# KiCad board A64-OlinuXino_Rev_H.kicad_pcb (continued)
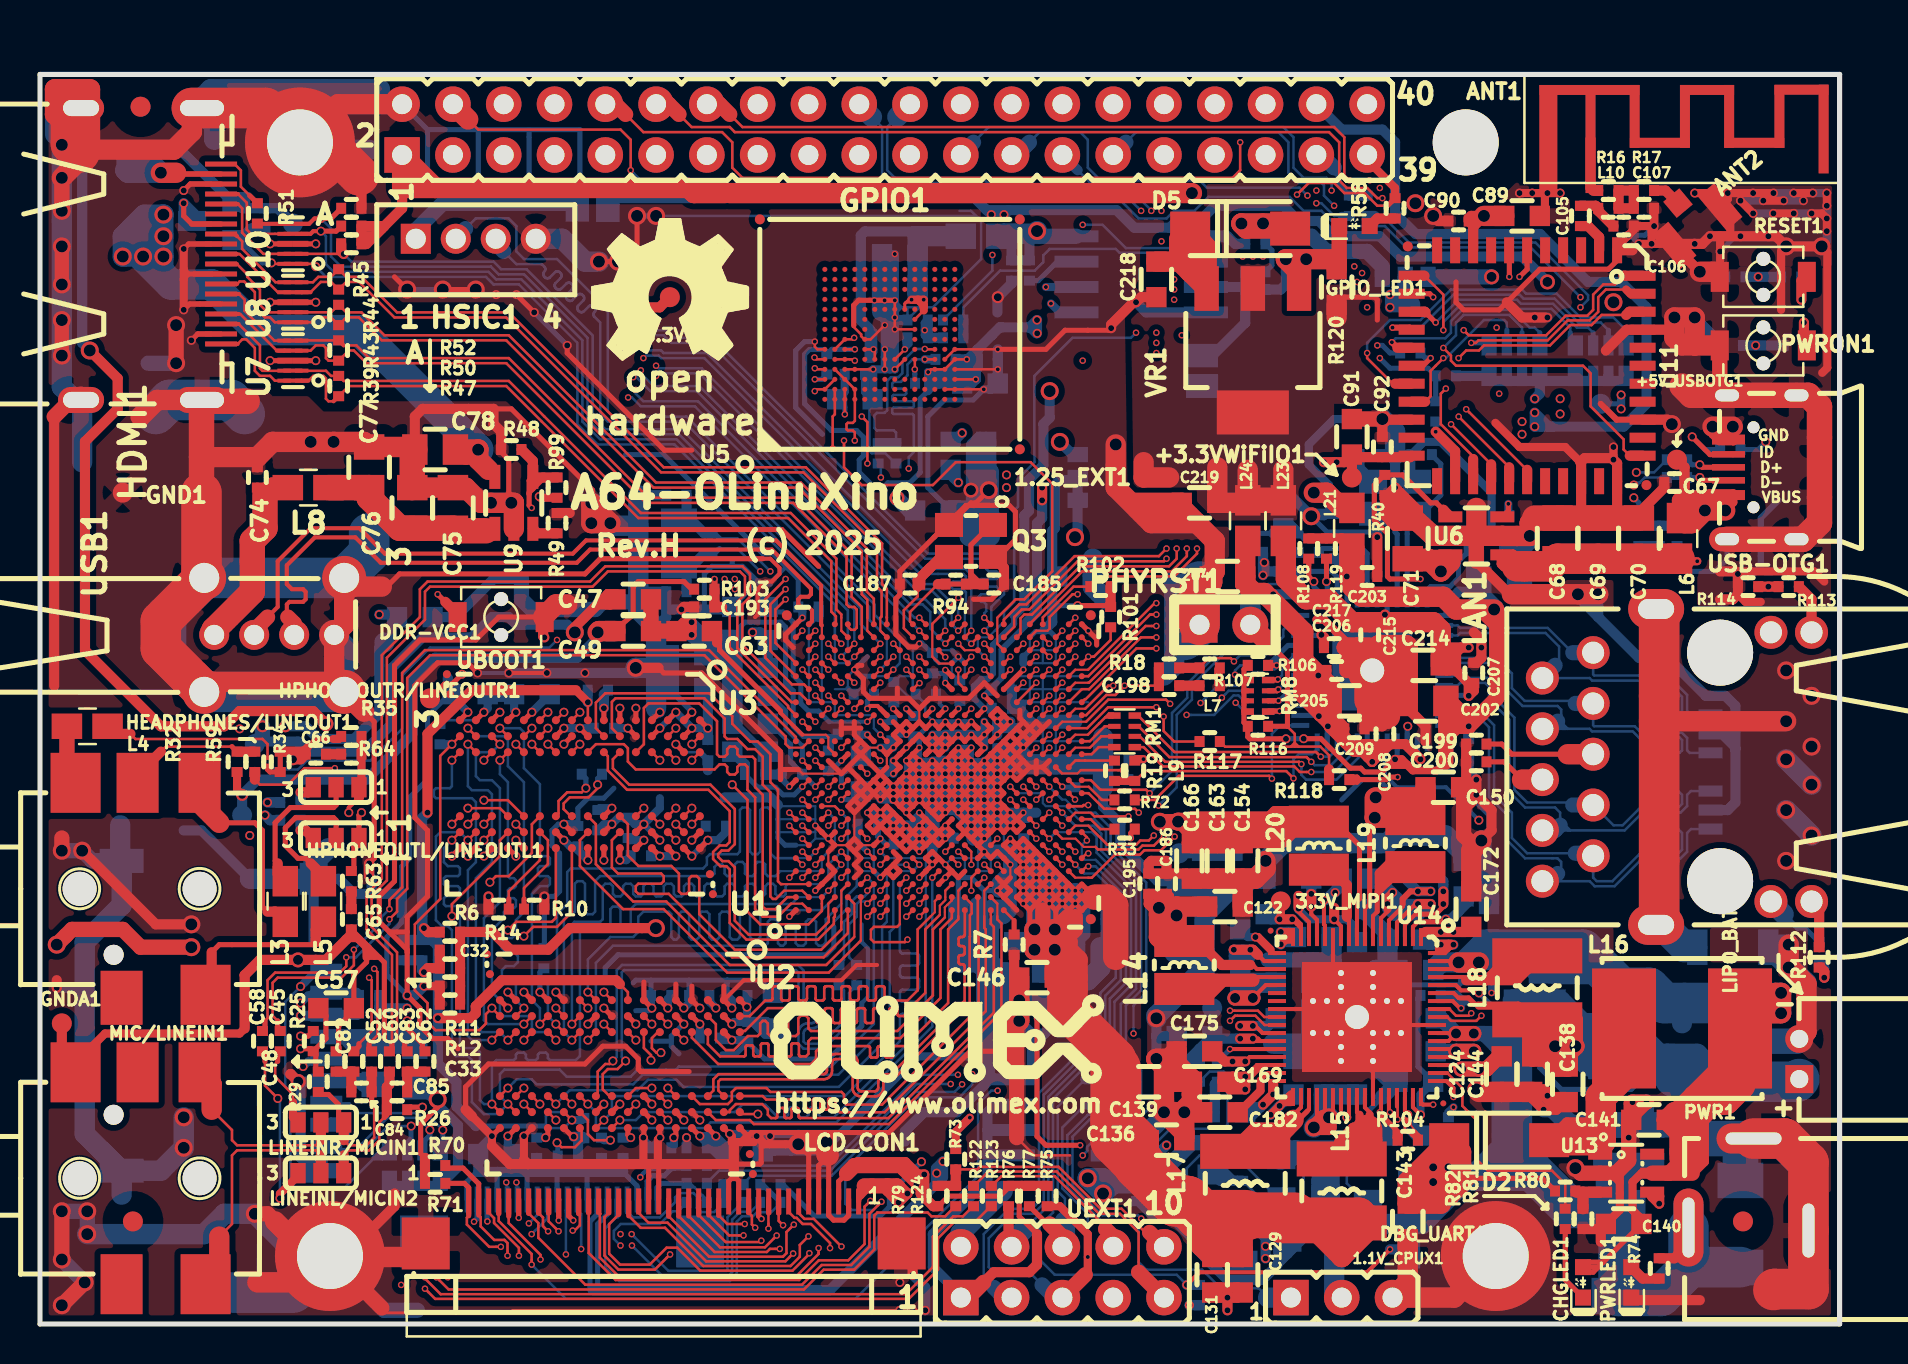
[diagram p0: board, top side]
## Routing (per net, layer and track width the routed paths; a pad name or vN(x,y) marks a point on that pad's centre or on a via; arc(x,y) is an arc through that point) (continued)
USB0-D_P: length 60.4
  Top w0.127: U1.A22 v4(38.12,34.67)
  Top w0.254: v3(83.01,42.98) 83.13,42.85 84.68,42.85
  In2.Cu w0.152: v4(38.12,34.67) 40.7,37.25 40.7,41.87 44.37,45.53 50.56,45.53 50.82,45.78 55.01,45.78 55.9,46.67 68.73,46.67 69.54,47.49 71.31,47.49 72.91,49.09 76.33,49.09 77.74,47.68 79.78,47.68 80.35,47.1 80.35,44.79 82.16,42.98 v3(83.01,42.98)
  Bottom w0.254: v3(83.01,42.98) 82.63,42.98 R86.2
USB0-DRV: length 40.8
  Top w0.203: v4(69.67,10.97) 69.16,10.97 69.06,11.08 U14.51
  Top w0.254: v4(69.04,37.26) 67.51,37.26 67.39,37.39 67.39,39.54 66.73,40.2 66.73,41.97 67.23,42.47 R40.2 68.15,42.47 69.54,41.07 69.83,41.07 70.18,40.72
  Top w0.508: 70.21,40.69 70.18,40.72 70.53,40.37
  In2.Cu w0.127: v4(69.67,10.97) 69.61,11.04 69.61,20.12 69.35,20.37 68.88,20.37 68.47,20.78 68.47,21.83 69.16,22.53 69.16,27.48 67.89,28.75 67.89,30.02 68.4,30.53 68.4,35.87 69.04,36.5 v4(69.04,37.26)
USB1-DRV: length 47.3
  Top w0.107: 47.88,34.03 47.88,35.33
  Top w0.127: 47.88,35.33 48.8,36.25 49.22,36.25 50.62,37.64 50.62,42.02 49.54,43.1 45.8,43.1 44.65,41.96 41.1,41.96 40.21,42.85 v4(40.21,44.19) ; U1.U21 47.88,34.03
  Top w0.254: v4(24.59,40.82) 24.46,40.95 24.46,41.52 ; 25.16,42.34 25.16,42.28 24.65,41.77 ; 24.46,41.52 24.46,41.58 24.65,41.77 ; 24.46,41.52 24.46,42.18 U9.4 24.65,41.77
  Top w0.508: R48.2 24.65,43.17 U9.4 24.68,42.34 R99.2
  In2.Cu w0.127: v4(40.21,44.19) 39.39,44.19 34.62,39.42 26.25,39.42 24.85,40.82 v4(24.59,40.82)
Net-(3.3V/VCC-PE:2.8V1-Pad2): length 23.7
  Top w0.254: v3(51.89,35.93) 51.9,35.93 53.47,35.93 R101.2 ; U1.U18 v4(49.18,32.72)
  Top w0.508: R102.2 R101.2
  Bottom w0.107: 50.15,33.05 50.15,33.7 ; 50.15,33.05 49.18,33.05 ; 50.15,33.05 50.68,33.05 50.8,33.17 50.8,33.7 ; 50.15,33.7 50.15,34.35 ; 50.15,33.7 49.5,33.7 49.5,33.7 49.5,34.35 49.5,34.35 ; 50.15,33.7 50.8,33.7 ; 50.8,33.7 50.8,34.35
  Bottom w0.254: 50.15,34.63 50.24,34.72 ; 50.15,34.63 49.78,34.63 49.5,34.35 ; 50.15,34.63 50.52,34.63 50.8,34.35 ; 50.15,34.63 50.15,34.35 ; v4(49.18,32.72) 49.18,33.05 ; v3(51.89,35.93) 50.69,35.93 50.62,35.86 ; 49.18,33.38 49.5,33.7
  Bottom w0.406: 49.18,33.05 49.18,33.38
  Bottom w0.508: 50.75,37.26 C194.2 ; C194.2 50.62,37.64 50.62,39.67 50.75,39.8 50.75,41.96 51,42.22 51.76,42.22 3.3V/VCC-PE:2.8V1.2 ; C194.2 50.62,37.13 50.62,35.1 50.24,34.72
Net-(ANT1-Pad1): length 2.9
  Top w0.508: ANT1.1 77.54,56.83 77.67,56.69 R16.1
Net-(ANT2-Pad1): length 1.5
  Top w0.508: R17.1 81.29,56.69 ANT2.1
Net-(C37-Pad2): length 3.6
  Top w0.127: U5.C2 v4(40.25,45.5)
  Bottom w0.254: v4(40.25,45.5) 40.25,45.86 C38.2
  Bottom w0.406: C38.2 40.24,46.63 C37.2
Net-(C42-Pad1): length 26.5
  Top w0.127: 43.31,51.1 v4(44.2,51.23) 44.07,51.1 43.31,51.1 ; 43.31,51.1 v4(43.59,51.23) ; 43.31,51.1 43.25,51.05 ; U5.J10 43.25,50.87 ; 43.25,50.87 43.25,51.02 43.46,51.23 v4(43.59,51.23) ; 43.25,50.87 43.25,51.05 ; v4(43.59,51.23) 43.43,51.23 43.25,51.05 ; 43.75,50.27 U5.K9 44.2,50.7 ; U5.F5 41.75,48.69 v4(41.68,48.75) 41.68,48.75 U5.E6
  Top w0.406: 43.91,51.23 44.2,50.95 44.2,50.88 ; 43.91,51.23 v4(44.2,51.23) 44.2,50.88 ; 43.91,51.23 v4(43.59,51.23) ; 44.2,50.88 44.2,50.7
  Bottom w0.254: 41.49,49.76 41.5,49.77 41.5,49.9 41.75,49.65 41.75,48.75 ; 41.75,48.75 41.75,48.61 C44.1 ; 41.75,48.75 41.49,48.75 ; C43.1 43.59,51.69 v4(43.59,51.23) 43.86,51.23 ; v4(44.2,51.23) 43.92,51.23
  Bottom w0.406: C43.1 43.59,51.95 43.59,51.94 v4(43.59,51.23) v4(44.2,51.23) 44.2,51.51 ; 43.59,51.69 43.64,51.74
  Bottom w0.508: 43.89,54.41 43.65,54.65 41.25,54.65 41.05,54.45 41.05,50.2 41.49,49.76 C44.1
  Bottom w1.016: 43.89,51.61 43.89,51.62 C43.1 C42.1 43.89,54.41 L1.2
Net-(C45-Pad1): length 4.1
  Top w0.127: 12.65,11.1 12.65,11.48 11.76,12.37 11.76,13 11.89,13.13
  Top w0.254: 11.89,13.13 11.89,13.51 C45.1
  Top w0.406: 12.65,11.1 12.65,10.34 LINEINR/MICIN1.3
Net-(C48-Pad2): length 2
  Top w0.508: C84.2 15.57,12.62 C82.1 C48.2
Net-(C51-Pad1): length 5.3
  Top w0.127: U1.C11 v4(38.78,26.88)
  Bottom w0.203: 37.54,29.01 36.91,29.64
  Bottom w0.254: 37.54,29.01 37.54,28.12 38.11,27.55 C51.1 38.15,27.5 v4(38.78,26.88) ; 36.78,29.64 36.91,29.64 C53.1 36.78,29.64
Net-(C52-Pad1): length 8.3
  Top w0.127: 16.59,10.97 16.71,10.85 16.71,9.32 16.33,8.94 15.44,8.94 15.19,9.19
  Top w0.254: R29.1 14.05,11.48 14.43,11.48 14.94,10.97 14.94,10.34 LINEINR/MICIN1.1 ; C84.1 16.59,10.97
  Top w0.508: LINEINR/MICIN1.1 15.19,9.19 ; C52.1 C84.1
Net-(C54-Pad2): length 24.8
  Top w0.127: U1.G13 v4(42.03,28.17) ; v4(41.38,27.53) U1.F12
  In2.Cu w0.107: 41.05,29.15 41.05,31.1 41.05,31.25 40.4,31.9 40.4,32.4 39.75,33.05 38.62,33.05 38.07,33.59 ; 40.4,30.45 40.4,31.58 40.22,31.75 39.92,31.75 39.27,32.4 38.62,32.4 38.45,32.57 38.45,32.88 38.09,33.24 37.92,33.24
  In2.Cu w0.127: 40.4,30.45 40.72,30.12 40.72,28.17 v4(41.38,27.53) ; 38.07,33.59 37.53,33.59 36.3,34.82 35.86,34.82 v3(35.64,34.59) 35.76,34.47 36.19,34.47 37.41,33.24 37.92,33.24 ; 41.05,29.15 41.05,28.83 41.7,28.17 v4(42.03,28.17)
  Bottom w0.508: v3(35.64,34.59) 36.02,34.59 C54.2 C56.2
Net-(C55-Pad1): length 4.5
  Top w0.127: U1.B12 v4(38.12,28.17)
  Bottom w0.203: 37.29,30.02 37.29,29.77 38.12,28.93
  Bottom w0.254: 37.29,30.02 37.29,30.66 36.53,31.42 C55.1 ; v4(38.12,28.17) 38.12,28.93
Net-(C57-Pad2): length 13.4
  Top w0.254: v3(19.13,10.85) 18.49,10.85 R26.2 ; v3(13.03,13.77) 13.54,13.77 R25.1 ; R29.2 13.79,12.75 13.79,13.51 R25.1 ; C57.2 14.3,15.42 14.3,14.28 R25.1
  In3.Cu w0.254: v3(19.13,10.85) 14.81,10.85 14.11,11.54 14.11,13.07 13.41,13.77 v3(13.03,13.77)
Net-(C58-Pad1): length 9.3
  Top w0.127: v3(11.89,11.28) 11.25,11.92 11.25,13.13
  Top w0.254: 11.25,13.13 11.25,13.51 C58.1
  Top w0.406: LINEINL/MICIN2.3 12.9,7.42 12,6.51 v3(12,6.29)
  Bottom w0.127: v3(11.89,11.28) 12,11.18 v3(12,6.29)
Net-(C59-Pad1): length 5.3
  Top w0.127: U1.B11 v4(38.12,26.88)
  Bottom w0.254: R27.1 35.89,26.85 36.78,26.85 37.16,26.47 37.72,26.47 v4(38.12,26.88)
  Bottom w0.508: R27.1 35.25,27.99 C59.1
Net-(C60-Pad1): length 7.1
  Top w0.127: 15.19,8.43 15.44,8.69 16.46,8.69 16.97,9.19 16.97,10.08 17.22,10.34
  Top w0.254: 17.22,10.59 17.22,10.34 17.35,10.47 R26.1 17.22,10.59
  Top w0.508: R26.1 C85.1 17.35,11.86 17.47,11.99 C60.1 ; LINEINL/MICIN2.1 15.19,8.43
Net-(C61-Pad1): length 2.4
  Top w0.127: v4(40.07,26.88) U1.E11
  Bottom w0.254: C61.1 40.07,27.44 v4(40.07,26.88)
Net-(C61-Pad2): length 1.6
  Top w0.127: U1.E10 v4(40.07,26.22)
  Bottom w0.254: C61.2 40.64,26.22 v4(40.07,26.22)
Net-(C62-Pad1): length 1.9
  Top w0.508: C62.1 C83.1 C85.2
Net-(C63-Pad1): length 9.5
  Top w0.107: 38.12,29.47 39.3,29.47 39.43,29.35 39.43,28.83
  Top w0.127: 39.43,28.83 U1.D13
  Top w0.203: 38.12,29.47 37.03,30.57 37.03,30.66
  Top w0.254: 33.86,34.09 33.99,33.96 33.99,33.71 37.03,30.66
  Top w0.508: 33.86,34.09 33.86,34.47 33.6,34.72
Net-(C64-Pad1): length 9.9
  Bottom w0.762: 15.48,14.37 15.82,14.02 ; 15.48,14.37 14.31,14.37 ; 15.48,14.37 18.46,14.37 18.49,14.34 17.16,14.34 C64.1
  Bottom w1.016: 15.82,14.02 15.95,14.02 ; L2.2 C64.1 15.76,14.02 15.57,14.21
Net-(C65-Pad2): length 0.9
  Top w0.508: C65.2 R63.1
Net-(C66-Pad2): length 0.8
  Top w0.508: R64.1 C66.2
Net-(C68-Pad2): length 13.2
  Top w0.406: v4(82.88,38.15) 82.12,38.15 L6.1
  Top w0.508: 74.24,37.9 73.67,38.47 U6.1 73.1,38.44 73.1,38.02 73.23,37.9 73.86,37.9
  Top w1.524: 73.86,37.9 75.51,37.9 C68.2 C69.2 C70.2 L6.1
  Bottom w0.406: v4(82.88,38.15) 82.63,38.15 R38.2
Net-(C74-Pad1): length 9.9
  Top w0.508: C74.1 11.25,41.45
  Top w1.016: 11.25,41.45 11.63,41.83 L8.2
  Top w1.27: 11.25,41.45 11.25,39.8 10.62,39.17 10.62,36.63 8.71,34.72 USB1.1
Net-(C75-Pad2): length 9.6
  Top w0.508: 22.3,39.67 22.65,39.67 U9.1
  Top w1.27: 22.3,39.67 20.78,39.67 C75.2 C76.2 17.98,39.8 16.46,41.33 C77.2 L8.1
Net-(C86-Pad2): length 1.2
  Top w0.508: v3(13.03,26.59) 13.41,26.59 HPHONEOUTR/LINEOUTR1.3
  Bottom w0.508: C86.2 v3(13.03,26.59)
Net-(C87-Pad2): length 1.3
  Top w0.508: v3(13.03,24.69) 13.28,24.69 HPHONEOUTL/LINEOUTL1.3
  Bottom w0.508: C87.2 v3(13.03,24.69)
Net-(C88-Pad2): length 1.2
  Top w0.406: v4(55.19,28.25) 54.82,28.25 L9.1
  Bottom w0.406: v4(55.19,28.25) 55.18,28.25 C88.2
Net-(C105-Pad1): length 1.8
  Top w0.508: C105.1 77.42,54.91 77.97,54.36 U11.2
Net-(C105-Pad2): length 2.1
  Top w0.508: C106.2 77.93,55.68 L10.2 77.8,55.93 C105.2
Net-(C107-Pad2): length 3.3
  Top w0.508: R17.2 R16.2 L10.1 C107.2 R17.2
Net-(C125-Pad2): length 2.7
  Top w0.203: 61.54,18.72 61.71,18.55 U14.18
  Top w0.406: v3(60.78,19.36) 60.91,19.36 61.54,18.72
  Bottom w0.406: v3(60.78,19.36) 60.4,19.36 C125.2 60.27,19.48
Net-(C135-Pad1): length 40.5
  Top w0.203: 71.01,16.31 70.94,16.31 70.69,16.55 U14.63
  Top w0.254: 71.01,16.31 71.45,16.31 71.77,15.99 71.89,15.99 71.96,15.93
  Top w0.406: 71.96,15.93 73.91,15.93 L18.1
  Top w0.762: 75.72,15.22 L18.1 76.78,15.22 v2(76.78,13.89)
  Top w0.914: 76.4,13.51 v2(76.78,13.89) v2(75.77,13.89)
  Top w1.016: C144.1 74.62,14.96 L18.1 ; C144.1 74.62,13.89 v2(75.77,13.89) 76.4,13.26 C138.1 ; C144.1 75.32,13.39 75.83,12.88 C138.1 ; C138.1 76.4,13.51
  Bottom w0.356: T1.6 T1.5 T1.2 T1.1
  Bottom w1.016: 75.9,16.18 74.78,16.18 T1.7 75.86,15.1 75.9,15.1 74.82,16.18 73.65,16.18 ; 75.9,16.18 75.85,16.18 ; 75.9,16.18 75.77,16.05 v2(75.77,13.89) v2(76.78,13.89) 76.78,14.4 76.15,15.04 C135.1 ; 75.9,16.18 76.02,16.18 77.16,15.04 C135.1 ; C135.1 77.67,13.26 77.55,13.13 R78.1
  Bottom w1.524: v2(76.78,13.89) 77.55,13.13 R78.1
Net-(C143-Pad2): length 31.2
  Top w0.254: 71.77,7.29 71.32,7.29 71.07,7.04 71.51,7.04 71.77,7.29 ; 71.77,7.29 71.7,7.29 71.07,7.92 ; 71.77,7.29 75.13,7.29 R80.1 75.77,6.68
  Top w1.016: C143.2 68.4,7.12 D2.1 ; C143.2 70.05,6.02 70.05,7.42 70.47,7.84 ; C143.2 68.66,6.02 70.47,7.84 ; 70.47,7.84 70.31,7.67 70.47,7.67 ; 70.47,7.84 70.47,6.44 ; 70.47,7.67 70.47,6.44 ; 70.47,7.67 D2.1 ; 70.47,6.44 71.07,7.04 71.07,8.6 D2.1
  Bottom w0.762: v5(69.67,7.1) v5(69.67,7.84) ; v5(69.67,7.84) 69,7.16 68.59,7.16 ; v5(69.67,7.84) v5(70.43,7.84)
  Bottom w1.016: 70.31,7.84 v5(69.67,7.84) 68.99,7.16 69.63,7.16 70.31,7.84
Net-(C149-Pad1): length 3.7
  Top w0.203: 62.56,11.1 62.66,11.2 U14.35
  Top w0.406: 62.15,11.07 62.56,11.48 ; 62.15,11.07 62.18,11.1 62.56,11.1 ; 62.15,11.07 v3(61.54,10.47)
  Bottom w0.508: 62.69,11.48 62.56,11.48 v3(61.54,10.47)
  vias: v3(61.99,10.91)
Net-(C151-Pad1): length 4.4
  Top w0.127: 61.67,11.99 61.84,12.15 U14.34
  Top w0.203: U14.34 61.77,12.15
  Top w0.508: v3(61.16,10.97) v3(61.67,11.48) 61.67,11.99
  Bottom w0.508: v3(61.67,11.48) v3(61.16,10.97) ; v3(61.16,10.97) 61.04,10.85 60.53,10.85 C151.1 ; v3(61.16,10.97) 60.53,10.34 60.34,10.34
Net-(C174-Pad2): length 4.9
  Top w0.203: U14.2 68.66,19.87 68.91,20.12 69.04,20.12
  Top w0.254: 69.04,20.12 70.18,20.12 v3(70.31,20.24)
  Bottom w0.508: 70.94,20.62 70.56,20.24 v3(70.31,20.24) ; 70.94,20.62 70.94,21.13 C174.2 ; 70.94,20.62 71.45,21.13 71.45,21.39
Net-(C177-Pad2): length 71.5
  Top w0.127: 70.37,15.35 70.56,15.16 71.83,15.16 v4(72.09,15.42)
  Top w0.203: U14.60 70.37,15.35
  In2.Cu w0.127: v4(77.04,50.85) 77.8,50.09 80.34,50.09 81.48,48.95 v3(85.8,48.95)
  In3.Cu w0.127: v4(77.04,50.85) 76.78,50.6 76.78,45.12 73.88,42.22 73.2,42.22 71.17,40.18 70.31,40.18 68.02,37.9 68.02,31.03 67.34,30.34 67.34,28.07 67.59,27.81 67.97,27.81 68.66,27.13 68.66,23.39 66.88,21.61 66.88,20.88 72.09,15.67 v4(72.09,15.42)
  Bottom w0.127: 66.75,55.42 67.13,55.42 68.46,54.09 74.78,54.09 77.42,51.46 77.42,51.23 v4(77.04,50.85)
  Bottom w0.508: R91.2 v3(85.8,48.95) C177.2 ; 66.37,55.42 66.75,55.42
Net-(C181-Pad2): length 7.6
  Top w0.203: v3(69.04,10.47) 68.66,10.84 U14.50
  Bottom w0.254: R92.2 68.91,16.31 68.91,12.88 C181.2
  Bottom w0.406: C181.2 69.04,11.48 v3(69.04,10.47)
Net-(C182-Pad2): length 3.1
  Top w0.203: U14.33 61.41,12.55 61.04,12.18
  Top w0.406: 61.04,12.18 61.04,11.67 59.96,10.59 C182.2
Net-(C183-Pad1): length 12.4
  Top w0.127: U1.B19 38.13,32.72 v4(38.13,32.73)
  In3.Cu w0.127: v4(36.53,37.64) 36.53,36.25 37.29,35.48 37.29,33.57 v4(38.13,32.73)
  Bottom w0.127: 33.99,39.29 34.87,39.29 v4(36.53,37.64) ; 33.63,39.55 R93.1
  Bottom w0.203: 33.73,39.55 R93.1
  Bottom w0.254: 33.73,39.55 33.99,39.29
  Bottom w0.508: R93.1 33.22,39.55 32.33,40.44 C183.1
Net-(C184-Pad1): length 13.8
  Top w0.127: v4(38.78,32.08) U1.C18
  In3.Cu w0.127: v4(36.02,37.64) 36.27,37.39 36.27,36.14 37.03,35.38 37.03,33.35 38.31,32.08 v4(38.78,32.08)
  Bottom w0.127: v4(36.02,37.64) 34.87,38.79 33.99,38.79
  Bottom w0.203: R93.2 33.73,38.53
  Bottom w0.254: R93.2 33.57,38.57 ; 33.73,38.53 33.99,38.79
  Bottom w0.508: C184.1 32.33,37.64 32.08,37.9 ; R93.2 33.22,38.53 32.46,37.77 31.95,37.77
Net-(C185-Pad1): length 6
  Top w0.254: 46.56,37.77 46.56,38.97 47.56,39.97 Q3.1 ; 46.56,37.77 46.56,37.39 ; 46.56,37.77 46.56,37.52 47.07,37.01 47.13,37.01 ; 46.56,37.39 46.56,37.26 46.66,37.16 46.66,37.01 ; 46.56,37.39 46.94,37.01
  Top w0.508: R94.2 C185.1 47.19,37.02
Net-(C187-Pad1): length 6.5
  Top w0.127: 43.89,36.88 43.89,36.39 43.2,35.7 43.2,34.8 U1.K22
  Top w0.508: 44.49,37.8 45.1,38.41 45.41,38.41 ; 44.49,37.8 44.02,37.33 C187.1 43.89,36.88 43.89,37.2 44.49,37.8
Net-(C188-Pad2): length 22.1
  Top w0.127: U1.P16 v4(46.57,30.78)
  In2.Cu w0.107: 46.9,32.4 46.9,34.35 46.9,34.88 ; 46.25,35 46.25,34.35 46.25,32.4 45.7,32.4 45.6,32.5 45.6,34.51 45.59,34.52 45.59,34.99 45.6,35 46.25,35
  In2.Cu w0.127: 46.9,34.88 46.62,35.15 46.4,35.15 ; 46.57,32.08 46.9,32.4
  In2.Cu w0.254: 46.25,32.4 46.57,32.08 v4(46.57,30.78) ; 45.41,35.74 46.18,35.74 46.43,35.48 46.43,35.18 46.25,35 ; 45.6,35 45.41,35.19
  In2.Cu w0.406: 45.41,35.19 45.41,41.58 v3(45.92,42.09)
  Bottom w0.508: v3(45.92,42.09) 45.54,42.47 C188.2
Net-(C192-Pad2): length 10
  Top w0.127: U1.G16 v4(41.38,30.12)
  Bottom w0.203: v4(41.38,30.12) 39.47,30.12
  Bottom w0.254: 39.47,30.12 38.94,30.66 38.43,30.66 38.05,31.04 38.05,32.06 37.67,32.44 37.67,35.1 37.16,35.61 36.65,35.61 C192.2
Net-(C196-Pad2): length 74.3
  Top w1.016: v2(87.32,30.15) 80.97,30.15
  Top w2.032: 80.97,35.61 80.97,20.12
  In1.Cu w2.032: 80.97,35.61 80.97,20.12
  In2.Cu w2.032: 80.97,35.61 80.97,20.12
  In3.Cu w2.032: 80.97,20.12 80.97,35.61
  Bottom w1.016: v2(88.59,24.44) v2(87.32,25.7) ; v2(88.59,26.97) v2(87.32,28.25) ; C196.2 82.25,18.85
  Bottom w1.524: 82.25,18.85 80.97,20.12
  vias: v2(87.32,32.69) v2(87.32,23.17) v2(88.59,31.42) v2(88.59,28.88)
Net-(C198-Pad2): length 1
  Top w0.508: C198.2 L7.1
Net-(C199-Pad2): length 5.5
  Top w0.254: C199.2 73.1,29.01 73.61,28.5 76.4,28.5
  Top w1.016: LAN1.5 76.4,28.5
Net-(C200-Pad2): length 3.2
  Top w0.254: C200.2 73.23,28.12 74.12,27.23
  Top w1.016: LAN1.6 74.12,27.23
Net-(C204-Pad2): length 41
  Top w0.508: v3(63.96,30.4) 64.47,30.4 64.59,30.28 64.59,30.15 64.47,30.02 64.41,30.02 ; 61.16,36.63 61.29,36.5 v3(61.67,36.5) ; 66.88,29.01 65.48,29.01 65.35,29.13 ; 66.88,29.01 66.62,28.75 v3(66.62,28.12) ; 66.88,29.01 C208.2 ; v3(69.04,28.25) 68.28,29.01 67.64,29.01 ; 67.64,29.01 67.51,29.01 v3(66.62,28.12) ; 67.64,29.01 C208.2 ; C208.2 66.62,28.37 v3(66.62,28.12) ; v3(66.62,28.12) 65.99,28.75 65.86,28.75 ; v3(63.93,32.44) 64.18,32.69 C206.2 ; C209.2 64.97,29.77 64.72,30.02
  Top w0.762: 64.59,30.15 64.59,29.9 65.74,28.75 66.62,28.75 ; 63.96,30.78 63.96,32.41 v3(63.93,32.44)
  Top w1.016: 63.17,33.19 63.17,34.62 61.23,36.56 60.72,36.56 60.27,37.01 C204.2 60.27,39.04 L24.1 ; 63.17,33.19 v3(63.93,32.44) 64.59,31.77 C205.2 64.59,30.28 ; 63.17,33.19 63.17,31.57 64.97,29.77
  Bottom w0.254: v3(63.96,30.4) 63.92,30.44 U15.26 ; U15.14 68.87,28.41 v3(69.04,28.25) ; U15.30 63.93,32.44 v3(63.93,32.44) ; U15.18 66.87,28.37 v3(66.62,28.12) ; U15.23 64.37,29.86 v3(64.41,29.9) ; C210.2 64.59,37.64 64.87,37.36 U15.39
  Bottom w0.508: v3(61.67,36.5) 62.69,36.5 62.94,36.75 C210.2
Net-(C207-Pad2): length 25.2
  Top w0.508: 70.81,32.69 70.31,32.69 C214.2 ; 70.81,32.69 71.45,32.06 ; 70.81,32.69 70.81,32.82 ; 71.45,32.06 C207.2 71.7,31.67 v3(71.45,31.42) 71.45,32.06 ; v3(67.26,35.48) 67.39,35.1 67.39,35.09 ; 66.5,35.1 66.5,35.23 66.5,35.1 ; 66.5,35.1 C215.2 ; 70.05,33.96 70.81,33.2 ; 70.05,33.96 70.18,33.83 71.07,33.83 ; 70.05,33.96 70.05,33.58 70.81,32.82 ; 70.81,33.2 70.81,33.58 71.07,33.83 ; 70.81,33.2 70.81,32.82 ; v3(71.45,33.83) 71.07,33.83
  Top w1.016: C214.2 70.05,34.72 69.67,35.1 67.39,35.1 ; 67.39,35.1 65.61,35.1 64.47,36.25 63.32,36.25 62.31,37.26 62.31,38.85 ; 67.39,35.1 67.26,35.1 ; 67.39,35.09 67.26,35.09
  Bottom w0.254: v3(71.45,33.83) 71.34,33.94 U15.4 ; v3(71.45,31.42) 71.43,31.44 U15.9 ; U15.44 67.37,35.6 v3(67.26,35.48)
Net-(C211-Pad2): length 31.4
  Top w0.127: 62.75,29.07 62.75,28.88 ; 62.75,29.07 62.94,28.88 ; 62.75,29.07 62.56,28.88 ; 62.75,29.07 62.75,29.52 62.37,29.9 ; 62.75,28.88 62.94,28.88 ; 62.75,28.88 62.56,28.88 ; 62.56,28.88 62.55,28.87 59.26,28.87 R117.1 ; 62.94,28.88 64.03,28.88 64.47,28.45 64.47,27.74
  Top w0.254: R116.1 62.37,29.9 62.39,29.91 62.39,33.12 61.54,33.96
  Top w0.508: R118.1 64.47,27.74
  Top w1.016: PHYRST1.2 61.54,33.96
  Bottom w0.127: 60.53,35.86 60.4,35.99 ; 60.4,39.1 60.85,39.55
  Bottom w0.254: 61.67,39.55 60.85,39.55 60.42,39.12 60.42,35.97 60.53,35.86 ; 62.94,39.55 63.26,39.23 65.67,39.23 66.37,38.53 U15.42
  Bottom w0.508: 62.18,40.06 62.43,40.06 62.94,39.55 62.43,39.55 C211.2 61.93,39.8 61.67,39.55
  Bottom w1.016: 60.53,35.74 PHYRST1.2 60.53,35.86 60.53,35.74
Net-(C212-Pad2): length 8.3
  Bottom w0.254: 68.37,37.13 68.37,37.11 ; 68.37,37.13 U15.46 ; 68.37,37.13 68.37,40.03 Q4.1 69.13,40.53 70.05,41.45 70.05,43.02 69.61,43.46 C212.2
Net-(C213-Pad2): length 7.9
  Bottom w0.254: 67.87,37.13 67.87,37.16 ; 67.87,37.13 U15.45 ; 67.87,37.13 67.87,39.5 67.77,39.61 67.77,41.1 66.78,42.09 66.75,42.09
  Bottom w0.508: C213.2 65.99,42.8 Q4.2
Net-(C218-Pad1): length 11
  Top w1.016: D5.1 57.61,54.7 D5.1 ; D5.1 58.34,53.84 VR1.3 ; D5.1 57.52,52.61 ; D5.1 56.97,54.24 56.97,53.14 ; 57.52,52.61 57,53.14 56.97,53.14 ; 57.52,52.61 VR1.3 ; 56.97,53.14 C218.1 ; VR1.3 58.34,52.15
Net-(CHGLED1-Pad1): length 3.8
  Top w0.254: R82.2 76.28,2.21 CHGLED1.1
Net-(D2-Pad2): length 12.3
  Top w0.254: 78.05,9.19 78.02,9.19 U13.1
  Top w0.508: 78.05,10.08 76.36,10.08 D2.2
  Top w1.524: L16.2 79.22,12.52 78.05,11.35 78.05,9.19 D2.2
Net-(D3-Pad1): length 8.5
  Top w0.254: 6.87,57.52 6.81,57.58 ; 6.87,57.52 9.06,57.52 ; 6.87,57.52 8.55,57.52
  Top w1.016: v2(6.05,57.58) 6.81,57.58
  Bottom w1.016: 4.52,57.59 4.4,57.71 4.27,57.71 4.39,57.58 v2(6.05,57.58) 5.67,57.96 D3.1
Net-(D4-Pad1): length 2.3
  Bottom w1.016: D4.1 64.72,1.7 DBG_UART1.2
Net-(D4-Pad2): length 47.5
  Top w0.127: U1.Y7 v4(50.47,24.28)
  Top w0.203: v4(67.51,3.73) 66.37,2.59 57.99,2.59 v3(57.35,1.96)
  Bottom w0.107: 50.8,24.6 52.62,24.6
  Bottom w0.127: 52.62,24.6 52.84,24.37 52.84,23.57 54.56,21.86 54.56,16.94 53.74,16.12 53.74,14.34 50.66,11.27 50.66,5.58 49.99,4.9 49.99,3.23 50.75,2.46 56.85,2.46 v3(57.35,1.96) ; v4(50.47,24.28) 50.8,24.6
  Bottom w0.508: R95.1 v3(57.35,1.96) ; D4.2 68.53,3.48 68.53,3.73 v4(67.51,3.73)
Net-(DBG_UART1-Pad1): length 42.9
  Top w0.127: v4(48.53,26.88) U1.V10
  Bottom w0.107: 52.43,25.25 51.94,25.25 51.28,25.9 50.3,25.9 50.15,26.05 50.15,26.4 50,26.55 U1.V10
  Bottom w0.127: 52.43,25.25 52.73,25.25 53.31,24.67 53.31,23.77 55.07,22.01 55.07,16.69 54.31,15.93 54.31,13.45 55.07,12.69 55.07,10.72 54.81,10.47 52.4,10.47 51.38,9.45 51.38,6.86 53.11,5.13 54.56,5.13 54.94,4.75 54.94,3.1 55.32,2.72 58.12,2.72 59.05,1.79 60.95,1.79 61.42,1.32 ; v4(48.53,26.88) U1.V10